# Altium PCB PCB1.PcbDoc (part 2 of 5) (continued)
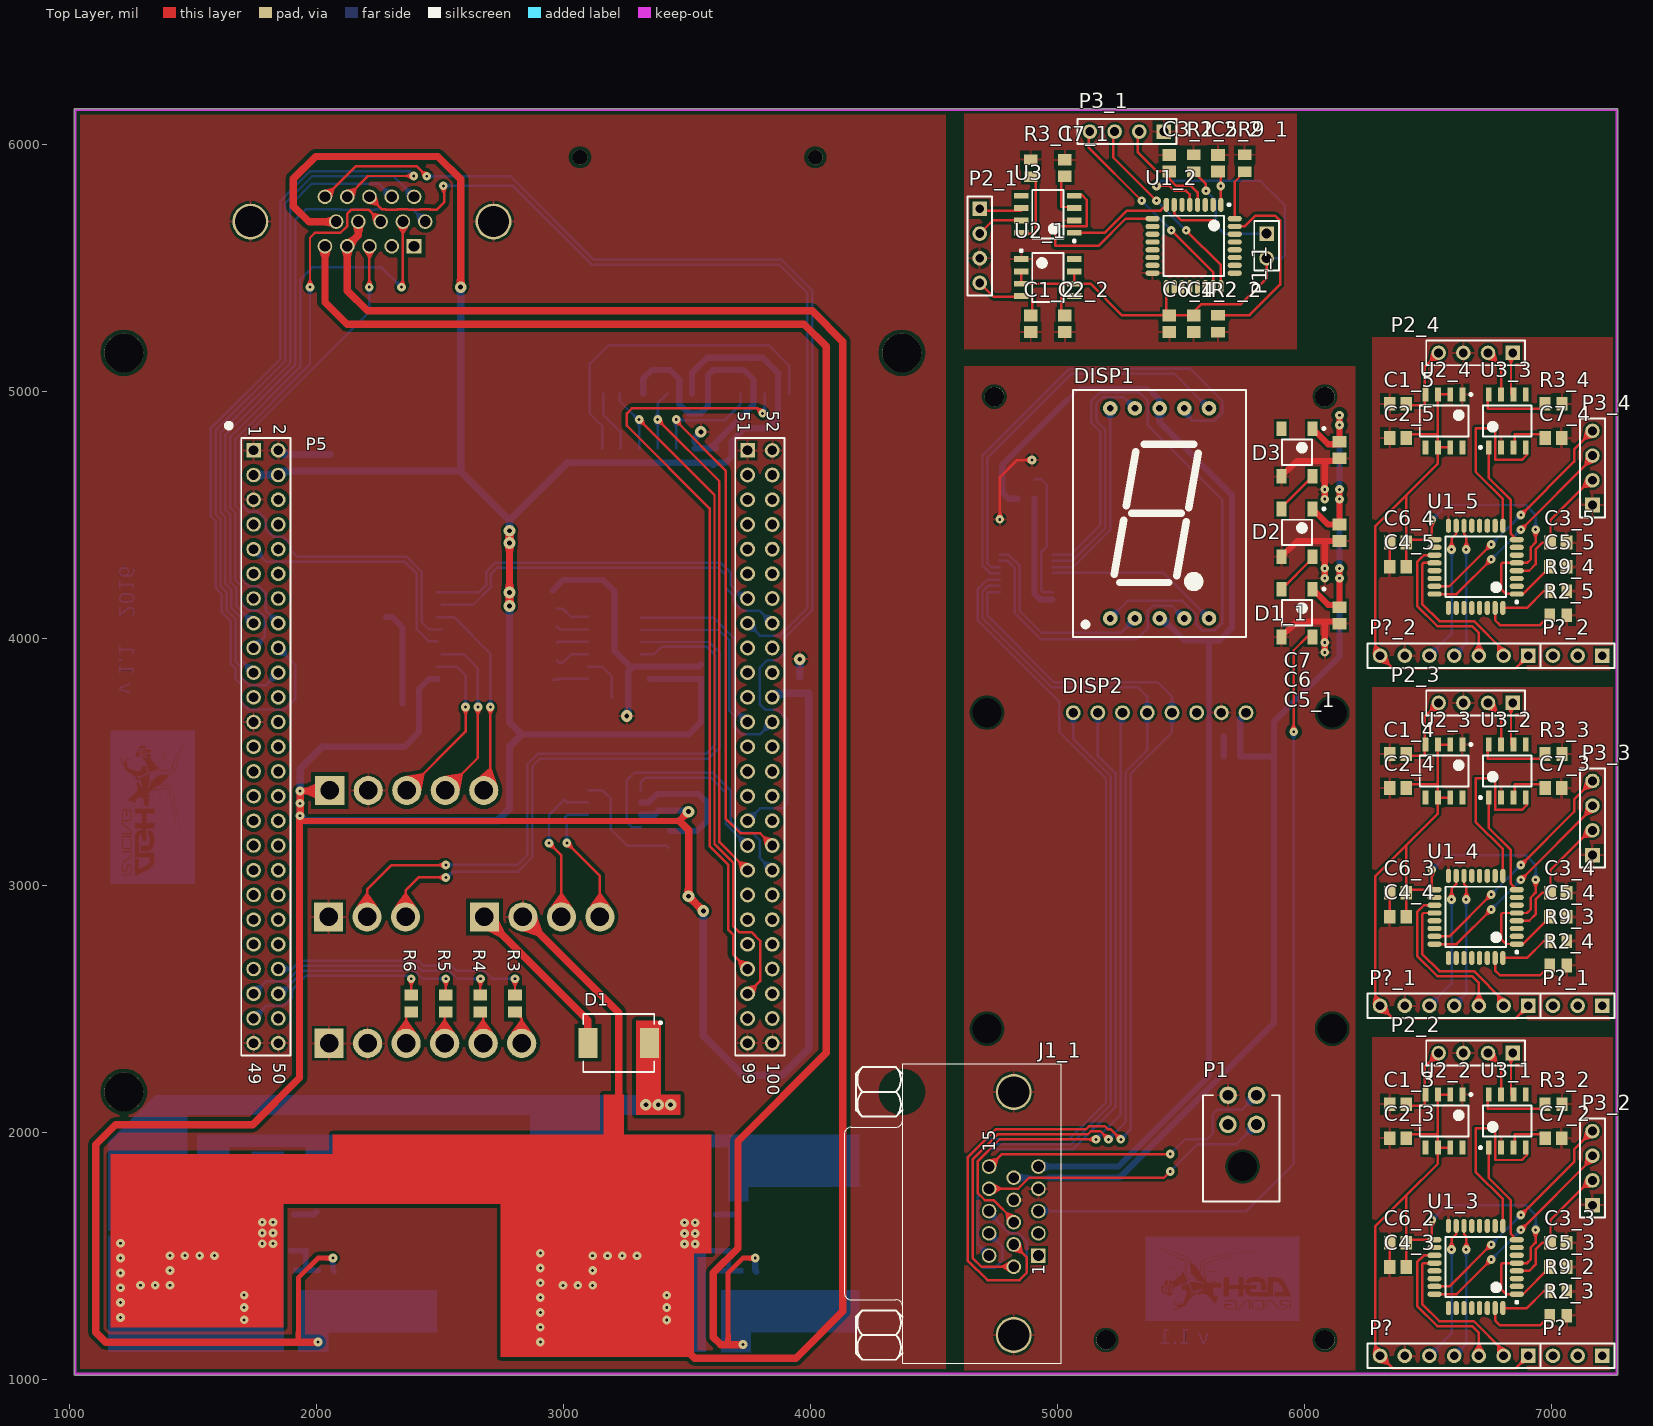
[diagram p0: Top Layer view]
## Nets (pads, with @x,y where several pads share a name; then routed paths per layer and width w, separated by ;. In a path a pad name is that pad's centre, name@x,y a point inside that pad or via, vN(x,y) a via of type N, cw(c..) or ccw(c..) an arc to the next point about the centre after c; other vN are vias at no path point) (continued)
1267.35,3112.6 ; 1267.35,3211.6 1267.35,3231.6 ; 1267.35,3254.6 1267.35,3291.6 ; 1267.35,3314.6 1267.35,3335.6 ; 1267.35,3343.6 1267.35,3345.6 ; 1267.35,3378.6 1267.35,3436.6 ; 1267.35,3468.6 1267.35,3628.6 ; 1268.35,3007.6 1268.35,3038.6 ; 1268.35,3109.6 1268.35,3112.6 ; 1268.35,3213.6 1268.35,3231.6 ; 1268.35,3254.6 1268.35,3291.6 ; 1268.35,3314.6 1268.35,3335.6 ; 1268.35,3343.6 1268.35,3347.6 ; 1268.35,3379.6 1268.35,3434.6 ; 1268.35,3468.6 1268.35,3525.6 ; 1268.35,3534.6 1268.35,3628.6 ; 1269.35,3007.6 1269.35,3039.6 ; 1269.35,3109.6 1269.35,3112.6 ; 1269.35,3214.6 1269.35,3231.6 ; 1269.35,3254.6 1269.35,3291.6 ; 1269.35,3314.6 1269.35,3335.6 ; 1269.35,3342.6 1269.35,3348.6 ; 1269.35,3381.6 1269.35,3410.6 ; 1269.35,3413.6 1269.35,3432.6 ; 1269.35,3467.6 1269.35,3523.6 ; 1269.35,3537.6 1269.35,3543.6 ; 1269.35,3544.6 1269.35,3628.6 ; 1270.35,3007.6 1270.35,3039.6 ; 1270.35,3109.6 1270.35,3112.6 ; 1270.35,3216.6 1270.35,3231.6 ; 1270.35,3254.6 1270.35,3291.6 ; 1270.35,3314.6 1270.35,3336.6 ; 1270.35,3342.6 1270.35,3349.6 ; 1270.35,3383.6 1270.35,3408.6 ; 1270.35,3414.6 1270.35,3429.6 ; 1270.35,3467.6 1270.35,3522.6 ; 1270.35,3538.6 1270.35,3543.6 ; 1270.35,3547.6 1270.35,3628.6 ; 1271.35,3007.6 1271.35,3039.6 ; 1271.35,3109.6 1271.35,3112.6 ; 1271.35,3217.6 1271.35,3231.6 ; 1271.35,3254.6 1271.35,3291.6 ; 1271.35,3314.6 1271.35,3338.6 ; 1271.35,3341.6 1271.35,3349.6 ; 1271.35,3384.6 1271.35,3407.6 ; 1271.35,3416.6 1271.35,3426.6 ; 1271.35,3467.6 1271.35,3521.6 ; 1271.35,3540.6 1271.35,3544.6 ; 1271.35,3549.6 1271.35,3628.6 ; 1272.35,3007.6 1272.35,3040.6 ; 1272.35,3109.6 1272.35,3112.6 ; 1272.35,3218.6 1272.35,3231.6 ; 1272.35,3254.6 1272.35,3291.6 ; 1272.35,3314.6 1272.35,3338.6 ; 1272.35,3340.6 1272.35,3350.6 ; 1272.35,3387.6 1272.35,3405.6 ; 1272.35,3417.6 1272.35,3424.6 ; 1272.35,3466.6 1272.35,3520.6 ; 1272.35,3541.6 1272.35,3545.6 ; 1272.35,3551.6 1272.35,3628.6 ; 1273.35,3007.6 1273.35,3040.6 ; 1273.35,3109.6 1273.35,3112.6 ; 1273.35,3219.6 1273.35,3231.6 ; 1273.35,3254.6 1273.35,3291.6 ; 1273.35,3314.6 1273.35,3350.6 ; 1273.35,3390.6 1273.35,3403.6 ; 1273.35,3418.6 1273.35,3422.6 ; 1273.35,3466.6 1273.35,3520.6 ; 1273.35,3543.6 1273.35,3546.6 ; 1273.35,3553.6 1273.35,3628.6 ; 1274.35,3007.6 1274.35,3041.6 ; 1274.35,3109.6 1274.35,3112.6 ; 1274.35,3220.6 1274.35,3231.6 ; 1274.35,3254.6 1274.35,3291.6 ; 1274.35,3314.6 1274.35,3351.6 ; 1274.35,3419.6 1274.35,3423.6 ; 1274.35,3466.6 1274.35,3520.6 ; 1274.35,3544.6 1274.35,3546.6 ; 1274.35,3554.6 1274.35,3628.6 ; 1275.35,3007.6 1275.35,3041.6 ; 1275.35,3109.6 1275.35,3112.6 ; 1275.35,3221.6 1275.35,3231.6 ; 1275.35,3254.6 1275.35,3291.6 ; 1275.35,3314.6 1275.35,3351.6 ; 1275.35,3421.6 1275.35,3425.6 ; 1275.35,3466.6 1275.35,3519.6 ; 1275.35,3545.6 1275.35,3547.6 ; 1275.35,3555.6 1275.35,3628.6 ; 1276.35,3007.6 1276.35,3042.6 ; 1276.35,3109.6 1276.35,3112.6 ; 1276.35,3222.6 1276.35,3231.6 ; 1276.35,3254.6 1276.35,3291.6 ; 1276.35,3314.6 1276.35,3352.6 ; 1276.35,3422.6 1276.35,3425.6 ; 1276.35,3443.6 1276.35,3444.6 ; 1276.35,3465.6 1276.35,3519.6 ; 1276.35,3546.6 1276.35,3548.6 ; 1276.35,3556.6 1276.35,3628.6 ; 1277.35,3007.6 1277.35,3042.6 ; 1277.35,3109.6 1277.35,3112.6 ; 1277.35,3222.6 1277.35,3231.6 ; 1277.35,3254.6 1277.35,3291.6 ; 1277.35,3314.6 1277.35,3353.6 ; 1277.35,3422.6 1277.35,3425.6 ; 1277.35,3442.6 1277.35,3443.6 ; 1277.35,3465.6 1277.35,3519.6 ; 1277.35,3547.6 1277.35,3549.6 ; 1277.35,3558.6 1277.35,3628.6 ; 1278.35,3007.6 1278.35,3043.6 ; 1278.35,3109.6 1278.35,3112.6 ; 1278.35,3223.6 1278.35,3231.6 ; 1278.35,3254.6 1278.35,3291.6 ; 1278.35,3314.6 1278.35,3353.6 ; 1278.35,3422.6 1278.35,3424.6 ; 1278.35,3440.6 1278.35,3443.6 ; 1278.35,3465.6 1278.35,3519.6 ; 1278.35,3548.6 1278.35,3550.6 ; 1278.35,3559.6 1278.35,3628.6 ; 1279.35,3007.6 1279.35,3043.6 ; 1279.35,3109.6 1279.35,3112.6 ; 1279.35,3224.6 1279.35,3231.6 ; 1279.35,3254.6 1279.35,3291.6 ; 1279.35,3314.6 1279.35,3354.6 ; 1279.35,3421.6 1279.35,3424.6 ; 1279.35,3439.6 1279.35,3443.6 ; 1279.35,3465.6 1279.35,3520.6 ; 1279.35,3548.6 1279.35,3551.6 ; 1279.35,3559.6 1279.35,3628.6 ; 1280.35,3007.6 1280.35,3044.6 ; 1280.35,3109.6 1280.35,3112.6 ; 1280.35,3224.6 1280.35,3231.6 ; 1280.35,3254.6 1280.35,3291.6 ; 1280.35,3314.6 1280.35,3354.6 ; 1280.35,3420.6 1280.35,3423.6 ; 1280.35,3437.6 1280.35,3443.6 ; 1280.35,3465.6 1280.35,3521.6 ; 1280.35,3549.6 1280.35,3551.6 ; 1280.35,3560.6 1280.35,3628.6 ; 1281.35,3007.6 1281.35,3044.6 ; 1281.35,3109.6 1281.35,3112.6 ; 1281.35,3225.6 1281.35,3231.6 ; 1281.35,3254.6 1281.35,3291.6 ; 1281.35,3314.6 1281.35,3355.6 ; 1281.35,3419.6 1281.35,3422.6 ; 1281.35,3436.6 1281.35,3443.6 ; 1281.35,3465.6 1281.35,3522.6 ; 1281.35,3537.6 1281.35,3538.6 ; 1281.35,3550.6 1281.35,3552.6 ; 1281.35,3561.6 1281.35,3628.6 ; 1282.35,3007.6 1282.35,3044.6 ; 1282.35,3109.6 1282.35,3112.6 ; 1282.35,3225.6 1282.35,3231.6 ; 1282.35,3254.6 1282.35,3291.6 ; 1282.35,3314.6 1282.35,3355.6 ; 1282.35,3418.6 1282.35,3421.6 ; 1282.35,3434.6 1282.35,3442.6 ; 1282.35,3465.6 1282.35,3523.6 ; 1282.35,3537.6 1282.35,3540.6 ; 1282.35,3551.6 1282.35,3553.6 ; 1282.35,3562.6 1282.35,3628.6 ; 1283.35,3007.6 1283.35,3045.6 ; 1283.35,3109.6 1283.35,3112.6 ; 1283.35,3225.6 1283.35,3231.6 ; 1283.35,3254.6 1283.35,3291.6 ; 1283.35,3314.6 1283.35,3356.6 ; 1283.35,3417.6 1283.35,3420.6 ; 1283.35,3432.6 1283.35,3436.6 ; 1283.35,3440.6 1283.35,3442.6 ; 1283.35,3465.6 1283.35,3524.6 ; 1283.35,3538.6 1283.35,3542.6 ; 1283.35,3551.6 1283.35,3554.6 ; 1283.35,3563.6 1283.35,3628.6 ; 1284.35,3007.6 1284.35,3045.6 ; 1284.35,3109.6 1284.35,3112.6 ; 1284.35,3226.6 1284.35,3231.6 ; 1284.35,3254.6 1284.35,3291.6 ; 1284.35,3314.6 1284.35,3356.6 ; 1284.35,3416.6 1284.35,3418.6 ; 1284.35,3429.6 1284.35,3434.6 ; 1284.35,3440.6 1284.35,3442.6 ; 1284.35,3465.6 1284.35,3519.6 ; 1284.35,3520.6 1284.35,3525.6 ; 1284.35,3538.6 1284.35,3543.6 ; 1284.35,3552.6 1284.35,3554.6 ; 1284.35,3564.6 1284.35,3628.6 ; 1285.35,3007.6 1285.35,3046.6 ; 1285.35,3071.6 1285.35,3112.6 ; 1285.35,3136.6 1285.35,3199.6 ; 1285.35,3226.6 1285.35,3231.6 ; 1285.35,3254.6 1285.35,3291.6 ; 1285.35,3314.6 1285.35,3356.6 ; 1285.35,3414.6 1285.35,3417.6 ; 1285.35,3426.6 1285.35,3432.6 ; 1285.35,3440.6 1285.35,3442.6 ; 1285.35,3466.6 1285.35,3519.6 ; 1285.35,3521.6 1285.35,3526.6 ; 1285.35,3538.6 1285.35,3544.6 ; 1285.35,3553.6 1285.35,3555.6 ; 1285.35,3564.6 1285.35,3628.6 ; 1286.35,3007.6 1286.35,3046.6 ; 1286.35,3072.6 1286.35,3112.6 ; 1286.35,3136.6 1286.35,3201.6 ; 1286.35,3226.6 1286.35,3231.6 ; 1286.35,3254.6 1286.35,3291.6 ; 1286.35,3314.6 1286.35,3356.6 ; 1286.35,3413.6 1286.35,3416.6 ; 1286.35,3423.6 1286.35,3429.6 ; 1286.35,3440.6 1286.35,3442.6 ; 1286.35,3466.6 1286.35,3519.6 ; 1286.35,3521.6 1286.35,3527.6 ; 1286.35,3538.6 1286.35,3545.6 ; 1286.35,3553.6 1286.35,3555.6 ; 1286.35,3565.6 1286.35,3628.6 ; 1287.35,3007.6 1287.35,3047.6 ; 1287.35,3072.6 1287.35,3112.6 ; 1287.35,3136.6 1287.35,3202.6 ; 1287.35,3226.6 1287.35,3231.6 ; 1287.35,3254.6 1287.35,3291.6 ; 1287.35,3314.6 1287.35,3356.6 ; 1287.35,3411.6 1287.35,3416.6 ; 1287.35,3419.6 1287.35,3426.6 ; 1287.35,3441.6 1287.35,3442.6 ; 1287.35,3467.6 1287.35,3519.6 ; 1287.35,3522.6 1287.35,3528.6 ; 1287.35,3539.6 1287.35,3541.6 ; 1287.35,3543.6 1287.35,3546.6 ; 1287.35,3554.6 1287.35,3556.6 ; 1287.35,3566.6 1287.35,3628.6 ; 1288.35,3007.6 1288.35,3047.6 ; 1288.35,3073.6 1288.35,3112.6 ; 1288.35,3136.6 1288.35,3139.6 ; 1288.35,3163.6 1288.35,3203.6 ; 1288.35,3226.6 1288.35,3231.6 ; 1288.35,3254.6 1288.35,3291.6 ; 1288.35,3314.6 1288.35,3356.6 ; 1288.35,3409.6 1288.35,3423.6 ; 1288.35,3441.6 1288.35,3442.6 ; 1288.35,3468.6 1288.35,3518.6 ; 1288.35,3522.6 1288.35,3524.6 ; 1288.35,3526.6 1288.35,3528.6 ; 1288.35,3539.6 1288.35,3541.6 ; 1288.35,3544.6 1288.35,3546.6 ; 1288.35,3554.6 1288.35,3556.6 ; 1288.35,3566.6 1288.35,3628.6 ; 1289.35,3007.6 1289.35,3048.6 ; 1289.35,3073.6 1289.35,3112.6 ; 1289.35,3136.6 1289.35,3139.6 ; 1289.35,3163.6 1289.35,3203.6 ; 1289.35,3226.6 1289.35,3231.6 ; 1289.35,3254.6 1289.35,3291.6 ; 1289.35,3314.6 1289.35,3356.6 ; 1289.35,3408.6 1289.35,3420.6 ; 1289.35,3441.6 1289.35,3442.6 ; 1289.35,3471.6 1289.35,3518.6 ; 1289.35,3522.6 1289.35,3524.6 ; 1289.35,3527.6 1289.35,3529.6 ; 1289.35,3539.6 1289.35,3541.6 ; 1289.35,3545.6 1289.35,3547.6 ; 1289.35,3554.6 1289.35,3557.6 ; 1289.35,3567.6 1289.35,3628.6 ; 1290.35,3007.6 1290.35,3048.6 ; 1290.35,3073.6 1290.35,3112.6 ; 1290.35,3136.6 1290.35,3139.6 ; 1290.35,3163.6 1290.35,3203.6 ; 1290.35,3227.6 1290.35,3231.6 ; 1290.35,3254.6 1290.35,3291.6 ; 1290.35,3314.6 1290.35,3356.6 ; 1290.35,3406.6 1290.35,3416.6 ; 1290.35,3441.6 1290.35,3442.6 ; 1290.35,3475.6 1290.35,3518.6 ; 1290.35,3522.6 1290.35,3524.6 ; 1290.35,3527.6 1290.35,3529.6 ; 1290.35,3539.6 1290.35,3541.6 ; 1290.35,3546.6 1290.35,3548.6 ; 1290.35,3555.6 1290.35,3557.6 ; 1290.35,3567.6 1290.35,3628.6 ; 1291.35,3007.6 1291.35,3049.6 ; 1291.35,3074.6 1291.35,3112.6 ; 1291.35,3136.6 1291.35,3139.6 ; 1291.35,3163.6 1291.35,3204.6 ; 1291.35,3227.6 1291.35,3231.6 ; 1291.35,3254.6 1291.35,3291.6 ; 1291.35,3314.6 1291.35,3356.6 ; 1291.35,3404.6 1291.35,3413.6 ; 1291.35,3441.6 1291.35,3443.6 ; 1291.35,3479.6 1291.35,3518.6 ; 1291.35,3523.6 1291.35,3524.6 ; 1291.35,3528.6 1291.35,3530.6 ; 1291.35,3539.6 1291.35,3541.6 ; 1291.35,3546.6 1291.35,3549.6 ; 1291.35,3555.6 1291.35,3557.6 ; 1291.35,3567.6 1291.35,3628.6 ; 1292.35,3007.6 1292.35,3049.6 ; 1292.35,3074.6 1292.35,3112.6 ; 1292.35,3136.6 1292.35,3139.6 ; 1292.35,3163.6 1292.35,3204.6 ; 1292.35,3227.6 1292.35,3231.6 ; 1292.35,3254.6 1292.35,3291.6 ; 1292.35,3314.6 1292.35,3355.6 ; 1292.35,3402.6 1292.35,3409.6 ; 1292.35,3441.6 1292.35,3443.6 ; 1292.35,3481.6 1292.35,3518.6 ; 1292.35,3523.6 1292.35,3524.6 ; 1292.35,3528.6 1292.35,3530.6 ; 1292.35,3540.6 1292.35,3541.6 ; 1292.35,3547.6 1292.35,3549.6 ; 1292.35,3555.6 1292.35,3557.6 ; 1292.35,3568.6 1292.35,3628.6 ; 1293.35,3007.6 1293.35,3050.6 ; 1293.35,3075.6 1293.35,3112.6 ; 1293.35,3136.6 1293.35,3139.6 ; 1293.35,3163.6 1293.35,3204.6 ; 1293.35,3227.6 1293.35,3231.6 ; 1293.35,3254.6 1293.35,3291.6 ; 1293.35,3314.6 1293.35,3332.6 ; 1293.35,3334.6 1293.35,3355.6 ; 1293.35,3400.6 1293.35,3406.6 ; 1293.35,3441.6 1293.35,3443.6 ; 1293.35,3482.6 1293.35,3517.6 ; 1293.35,3523.6 1293.35,3525.6 ; 1293.35,3529.6 1293.35,3531.6 ; 1293.35,3540.6 1293.35,3542.6 ; 1293.35,3548.6 1293.35,3550.6 ; 1293.35,3555.6 1293.35,3557.6 ; 1293.35,3568.6 1293.35,3628.6 ; 1294.35,3007.6 1294.35,3050.6 ; 1294.35,3075.6 1294.35,3112.6 ; 1294.35,3136.6 1294.35,3139.6 ; 1294.35,3163.6 1294.35,3180.6 ; 1294.35,3314.6 1294.35,3325.6 ; 1294.35,3327.6 1294.35,3332.6 ; 1294.35,3335.6 1294.35,3355.6 ; 1294.35,3399.6 1294.35,3403.6 ; 1294.35,3441.6 1294.35,3443.6 ; 1294.35,3482.6 1294.35,3517.6 ; 1294.35,3523.6 1294.35,3525.6 ; 1294.35,3529.6 1294.35,3531.6 ; 1294.35,3540.6 1294.35,3542.6 ; 1294.35,3548.6 1294.35,3551.6 ; 1294.35,3555.6 1294.35,3557.6 ; 1294.35,3568.6 1294.35,3628.6 ; 1295.35,3007.6 1295.35,3051.6 ; 1295.35,3076.6 1295.35,3112.6 ; 1295.35,3136.6 1295.35,3139.6 ; 1295.35,3163.6 1295.35,3180.6 ; 1295.35,3314.6 1295.35,3325.6 ; 1295.35,3327.6 1295.35,3332.6 ; 1295.35,3335.6 1295.35,3354.6 ; 1295.35,3397.6 1295.35,3400.6 ; 1295.35,3442.6 1295.35,3444.6 ; 1295.35,3483.6 1295.35,3517.6 ; 1295.35,3523.6 1295.35,3525.6 ; 1295.35,3529.6 1295.35,3531.6 ; 1295.35,3540.6 1295.35,3542.6 ; 1295.35,3549.6 1295.35,3552.6 ; 1295.35,3555.6 1295.35,3557.6 ; 1295.35,3568.6 1295.35,3628.6 ; 1296.35,3007.6 1296.35,3051.6 ; 1296.35,3076.6 1296.35,3112.6 ; 1296.35,3136.6 1296.35,3139.6 ; 1296.35,3163.6 1296.35,3180.6 ; 1296.35,3314.6 1296.35,3324.6 ; 1296.35,3327.6 1296.35,3332.6 ; 1296.35,3335.6 1296.35,3353.6 ; 1296.35,3442.6 1296.35,3444.6 ; 1296.35,3483.6 1296.35,3516.6 ; 1296.35,3523.6 1296.35,3525.6 ; 1296.35,3530.6 1296.35,3532.6 ; 1296.35,3541.6 1296.35,3542.6 ; 1296.35,3549.6 1296.35,3554.6 ; 1296.35,3555.6 1296.35,3557.6 ; 1296.35,3568.6 1296.35,3628.6 ; 1297.35,3007.6 1297.35,3052.6 ; 1297.35,3077.6 1297.35,3112.6 ; 1297.35,3136.6 1297.35,3139.6 ; 1297.35,3163.6 1297.35,3180.6 ; 1297.35,3314.6 1297.35,3324.6 ; 1297.35,3327.6 1297.35,3332.6 ; 1297.35,3335.6 1297.35,3353.6 ; 1297.35,3442.6 1297.35,3444.6 ; 1297.35,3483.6 1297.35,3515.6 ; 1297.35,3523.6 1297.35,3525.6 ; 1297.35,3530.6 1297.35,3532.6 ; 1297.35,3541.6 1297.35,3542.6 ; 1297.35,3550.6 1297.35,3557.6 ; 1297.35,3568.6 1297.35,3628.6 ; 1298.35,3007.6 1298.35,3052.6 ; 1298.35,3077.6 1298.35,3112.6 ; 1298.35,3136.6 1298.35,3139.6 ; 1298.35,3163.6 1298.35,3180.6 ; 1298.35,3314.6 1298.35,3324.6 ; 1298.35,3328.6 1298.35,3331.6 ; 1298.35,3335.6 1298.35,3352.6 ; 1298.35,3443.6 1298.35,3445.6 ; 1298.35,3484.6 1298.35,3514.6 ; 1298.35,3523.6 1298.35,3525.6 ; 1298.35,3530.6 1298.35,3532.6 ; 1298.35,3541.6 1298.35,3542.6 ; 1298.35,3550.6 1298.35,3557.6 ; 1298.35,3568.6 1298.35,3628.6 ; 1299.35,3007.6 1299.35,3053.6 ; 1299.35,3078.6 1299.35,3112.6 ; 1299.35,3136.6 1299.35,3139.6 ; 1299.35,3163.6 1299.35,3180.6 ; 1299.35,3314.6 1299.35,3324.6 ; 1299.35,3328.6 1299.35,3331.6 ; 1299.35,3335.6 1299.35,3350.6 ; 1299.35,3443.6 1299.35,3445.6 ; 1299.35,3484.6 1299.35,3511.6 ; 1299.35,3523.6 1299.35,3525.6 ; 1299.35,3531.6 1299.35,3533.6 ; 1299.35,3541.6 1299.35,3543.6 ; 1299.35,3551.6 1299.35,3553.6 ; 1299.35,3568.6 1299.35,3628.6 ; 1300.35,3007.6 1300.35,3053.6 ; 1300.35,3078.6 1300.35,3112.6 ; 1300.35,3136.6 1300.35,3139.6 ; 1300.35,3163.6 1300.35,3180.6 ; 1300.35,3314.6 1300.35,3323.6 ; 1300.35,3328.6 1300.35,3330.6 ; 1300.35,3335.6 1300.35,3348.6 ; 1300.35,3444.6 1300.35,3446.6 ; 1300.35,3484.6 1300.35,3510.6 ; 1300.35,3523.6 1300.35,3525.6 ; 1300.35,3531.6 1300.35,3533.6 ; 1300.35,3541.6 1300.35,3543.6 ; 1300.35,3551.6 1300.35,3553.6 ; 1300.35,3568.6 1300.35,3628.6 ; 1301.35,3007.6 1301.35,3054.6 ; 1301.35,3079.6 1301.35,3112.6 ; 1301.35,3136.6 1301.35,3139.6 ; 1301.35,3163.6 1301.35,3180.6 ; 1301.35,3314.6 1301.35,3323.6 ; 1301.35,3338.6 1301.35,3340.6 ; 1301.35,3444.6 1301.35,3446.6 ; 1301.35,3484.6 1301.35,3509.6 ; 1301.35,3523.6 1301.35,3525.6 ; 1301.35,3531.6 1301.35,3533.6 ; 1301.35,3541.6 1301.35,3543.6 ; 1301.35,3551.6 1301.35,3553.6 ; 1301.35,3568.6 1301.35,3628.6 ; 1302.35,3007.6 1302.35,3054.6 ; 1302.35,3079.6 1302.35,3112.6 ; 1302.35,3136.6 1302.35,3139.6 ; 1302.35,3163.6 1302.35,3180.6 ; 1302.35,3314.6 1302.35,3323.6 ; 1302.35,3444.6 1302.35,3447.6 ; 1302.35,3485.6 1302.35,3508.6 ; 1302.35,3523.6 1302.35,3525.6 ; 1302.35,3531.6 1302.35,3533.6 ; 1302.35,3541.6 1302.35,3543.6 ; 1302.35,3552.6 1302.35,3553.6 ; 1302.35,3568.6 1302.35,3628.6 ; 1303.35,3007.6 1303.35,3055.6 ; 1303.35,3080.6 1303.35,3112.6 ; 1303.35,3136.6 1303.35,3139.6 ; 1303.35,3163.6 1303.35,3180.6 ; 1303.35,3314.6 1303.35,3322.6 ; 1303.35,3445.6 1303.35,3447.6 ; 1303.35,3485.6 1303.35,3508.6 ; 1303.35,3522.6 1303.35,3525.6 ; 1303.35,3532.6 1303.35,3533.6 ; 1303.35,3541.6 1303.35,3543.6 ; 1303.35,3552.6 1303.35,3553.6 ; 1303.35,3568.6 1303.35,3628.6 ; 1304.35,3007.6 1304.35,3055.6 ; 1304.35,3080.6 1304.35,3112.6 ; 1304.35,3136.6 1304.35,3139.6 ; 1304.35,3163.6 1304.35,3180.6 ; 1304.35,3314.6 1304.35,3322.6 ; 1304.35,3445.6 1304.35,3447.6 ; 1304.35,3485.6 1304.35,3507.6 ; 1304.35,3522.6 1304.35,3524.6 ; 1304.35,3532.6 1304.35,3534.6 ; 1304.35,3541.6 1304.35,3543.6 ; 1304.35,3552.6 1304.35,3554.6 ; 1304.35,3568.6 1304.35,3628.6 ; 1305.35,3007.6 1305.35,3056.6 ; 1305.35,3081.6 1305.35,3112.6 ; 1305.35,3136.6 1305.35,3139.6 ; 1305.35,3163.6 1305.35,3180.6 ; 1305.35,3314.6 1305.35,3322.6 ; 1305.35,3446.6 1305.35,3448.6 ; 1305.35,3485.6 1305.35,3505.6 ; 1305.35,3522.6 1305.35,3524.6 ; 1305.35,3532.6 1305.35,3534.6 ; 1305.35,3542.6 1305.35,3543.6 ; 1305.35,3552.6 1305.35,3554.6 ; 1305.35,3568.6 1305.35,3628.6 ; 1306.35,3007.6 1306.35,3056.6 ; 1306.35,3081.6 1306.35,3112.6 ; 1306.35,3136.6 1306.35,3139.6 ; 1306.35,3163.6 1306.35,3180.6 ; 1306.35,3314.6 1306.35,3321.6 ; 1306.35,3446.6 1306.35,3448.6 ; 1306.35,3485.6 1306.35,3501.6 ; 1306.35,3521.6 1306.35,3523.6 ; 1306.35,3532.6 1306.35,3534.6 ; 1306.35,3542.6 1306.35,3543.6 ; 1306.35,3552.6 1306.35,3554.6 ; 1306.35,3568.6 1306.35,3628.6 ; 1307.35,3007.6 1307.35,3057.6 ; 1307.35,3082.6 1307.35,3112.6 ; 1307.35,3136.6 1307.35,3139.6 ; 1307.35,3163.6 1307.35,3180.6 ; 1307.35,3314.6 1307.35,3321.6 ; 1307.35,3447.6 1307.35,3449.6 ; 1307.35,3485.6 1307.35,3498.6 ; 1307.35,3521.6 1307.35,3523.6 ; 1307.35,3532.6 1307.35,3534.6 ; 1307.35,3542.6 1307.35,3543.6 ; 1307.35,3552.6 1307.35,3554.6 ; 1307.35,3567.6 1307.35,3628.6 ; 1308.35,3007.6 1308.35,3057.6 ; 1308.35,3082.6 1308.35,3112.6 ; 1308.35,3136.6 1308.35,3139.6 ; 1308.35,3163.6 1308.35,3180.6 ; 1308.35,3314.6 1308.35,3321.6 ; 1308.35,3447.6 1308.35,3449.6 ; 1308.35,3486.6 1308.35,3495.6 ; 1308.35,3521.6 1308.35,3522.6 ; 1308.35,3533.6 1308.35,3534.6 ; 1308.35,3542.6 1308.35,3543.6 ; 1308.35,3553.6 1308.35,3554.6 ; 1308.35,3567.6 1308.35,3628.6 ; 1309.35,3007.6 1309.35,3058.6 ; 1309.35,3083.6 1309.35,3112.6 ; 1309.35,3136.6 1309.35,3139.6 ; 1309.35,3163.6 1309.35,3180.6 ; 1309.35,3314.6 1309.35,3320.6 ; 1309.35,3448.6 1309.35,3450.6 ; 1309.35,3486.6 1309.35,3494.6 ; 1309.35,3520.6 1309.35,3522.6 ; 1309.35,3533.6 1309.35,3535.6 ; 1309.35,3541.6 1309.35,3543.6 ; 1309.35,3553.6 1309.35,3555.6 ; 1309.35,3566.6 1309.35,3628.6 ; 1310.35,3007.6 1310.35,3058.6 ; 1310.35,3083.6 1310.35,3112.6 ; 1310.35,3136.6 1310.35,3139.6 ; 1310.35,3163.6 1310.35,3180.6 ; 1310.35,3314.6 1310.35,3320.6 ; 1310.35,3448.6 1310.35,3450.6 ; 1310.35,3486.6 1310.35,3492.6 ; 1310.35,3520.6 1310.35,3522.6 ; 1310.35,3533.6 1310.35,3535.6 ; 1310.35,3541.6 1310.35,3543.6 ; 1310.35,3553.6 1310.35,3555.6 ; 1310.35,3565.6 1310.35,3628.6 ; 1311.35,3007.6 1311.35,3058.6 ; 1311.35,3084.6 1311.35,3112.6 ; 1311.35,3136.6 1311.35,3139.6 ; 1311.35,3163.6 1311.35,3180.6 ; 1311.35,3314.6 1311.35,3320.6 ; 1311.35,3449.6 1311.35,3451.6 ; 1311.35,3486.6 1311.35,3491.6 ; 1311.35,3520.6 1311.35,3522.6 ; 1311.35,3533.6 1311.35,3535.6 ; 1311.35,3540.6 1311.35,3543.6 ; 1311.35,3553.6 1311.35,3555.6 ; 1311.35,3564.6 1311.35,3628.6 ; 1312.35,3007.6 1312.35,3059.6 ; 1312.35,3084.6 1312.35,3112.6 ; 1312.35,3136.6 1312.35,3139.6 ; 1312.35,3163.6 1312.35,3180.6 ; 1312.35,3314.6 1312.35,3320.6 ; 1312.35,3449.6 1312.35,3451.6 ; 1312.35,3486.6 1312.35,3490.6 ; 1312.35,3520.6 1312.35,3523.6 ; 1312.35,3533.6 1312.35,3535.6 ; 1312.35,3540.6 1312.35,3542.6 ; 1312.35,3553.6 1312.35,3555.6 ; 1312.35,3563.6 1312.35,3628.6 ; 1313.35,3007.6 1313.35,3059.6 ; 1313.35,3085.6 1313.35,3112.6 ; 1313.35,3136.6 1313.35,3139.6 ; 1313.35,3163.6 1313.35,3180.6 ; 1313.35,3314.6 1313.35,3320.6 ; 1313.35,3450.6 1313.35,3452.6 ; 1313.35,3486.6 1313.35,3489.6 ; 1313.35,3520.6 1313.35,3523.6 ; 1313.35,3533.6 1313.35,3535.6 ; 1313.35,3553.6 1313.35,3558.6 ; 1313.35,3560.6 1313.35,3628.6 ; 1314.35,3007.6 1314.35,3060.6 ; 1314.35,3085.6 1314.35,3112.6 ; 1314.35,3136.6 1314.35,3139.6 ; 1314.35,3163.6 1314.35,3180.6 ; 1314.35,3314.6 1314.35,3320.6 ; 1314.35,3450.6 1314.35,3452.6 ; 1314.35,3472.6 1314.35,3487.6 ; 1314.35,3521.6 1314.35,3523.6 ; 1314.35,3533.6 1314.35,3535.6 ; 1314.35,3553.6 1314.35,3628.6 ; 1315.35,3007.6 1315.35,3060.6 ; 1315.35,3086.6 1315.35,3112.6 ; 1315.35,3136.6 1315.35,3139.6 ; 1315.35,3163.6 1315.35,3231.6 ; 1315.35,3254.6 1315.35,3291.6 ; 1315.35,3314.6 1315.35,3320.6 ; 1315.35,3451.6 1315.35,3453.6 ; 1315.35,3469.6 1315.35,3486.6 ; 1315.35,3534.6 1315.35,3536.6 ; 1315.35,3553.6 1315.35,3628.6 ; 1316.35,3007.6 1316.35,3061.6 ; 1316.35,3087.6 1316.35,3112.6 ; 1316.35,3136.6 1316.35,3139.6 ; 1316.35,3163.6 1316.35,3231.6 ; 1316.35,3254.6 1316.35,3291.6 ; 1316.35,3314.6 1316.35,3320.6 ; 1316.35,3350.6 1316.35,3354.6 ; 1316.35,3452.6 1316.35,3454.6 ; 1316.35,3466.6 1316.35,3474.6 ; 1316.35,3534.6 1316.35,3536.6 ; 1316.35,3553.6 1316.35,3628.6 ; 1317.35,3007.6 1317.35,3061.6 ; 1317.35,3088.6 1317.35,3112.6 ; 1317.35,3136.6 1317.35,3139.6 ; 1317.35,3163.6 1317.35,3231.6 ; 1317.35,3254.6 1317.35,3291.6 ; 1317.35,3314.6 1317.35,3320.6 ; 1317.35,3352.6 1317.35,3354.6 ; 1317.35,3452.6 1317.35,3454.6 ; 1317.35,3464.6 1317.35,3469.6 ; 1317.35,3534.6 1317.35,3536.6 ; 1317.35,3553.6 1317.35,3628.6 ; 1318.35,3007.6 1318.35,3062.6 ; 1318.35,3088.6 1318.35,3112.6 ; 1318.35,3136.6 1318.35,3139.6 ; 1318.35,3163.6 1318.35,3204.6 ; 1318.35,3227.6 1318.35,3231.6 ; 1318.35,3254.6 1318.35,3291.6 ; 1318.35,3314.6 1318.35,3320.6 ; 1318.35,3353.6 1318.35,3354.6 ; 1318.35,3453.6 1318.35,3455.6 ; 1318.35,3462.6 1318.35,3466.6 ; 1318.35,3534.6 1318.35,3536.6 ; 1318.35,3553.6 1318.35,3628.6 ; 1319.35,3007.6 1319.35,3062.6 ; 1319.35,3089.6 1319.35,3112.6 ; 1319.35,3136.6 1319.35,3140.6 ; 1319.35,3163.6 1319.35,3203.6 ; 1319.35,3227.6 1319.35,3231.6 ; 1319.35,3254.6 1319.35,3291.6 ; 1319.35,3314.6 1319.35,3321.6 ; 1319.35,3395.6 1319.35,3397.6 ; 1319.35,3454.6 1319.35,3456.6 ; 1319.35,3461.6 1319.35,3464.6 ; 1319.35,3534.6 1319.35,3536.6 ; 1319.35,3553.6 1319.35,3628.6 ; 1320.35,3007.6 1320.35,3063.6 ; 1320.35,3091.6 1320.35,3112.6 ; 1320.35,3136.6 1320.35,3140.6 ; 1320.35,3164.6 1320.35,3203.6 ; 1320.35,3227.6 1320.35,3231.6 ; 1320.35,3254.6 1320.35,3291.6 ; 1320.35,3314.6 1320.35,3322.6 ; 1320.35,3398.6 1320.35,3400.6 ; 1320.35,3454.6 1320.35,3456.6 ; 1320.35,3460.6 1320.35,3463.6 ; 1320.35,3534.6 1320.35,3536.6 ; 1320.35,3553.6 1320.35,3628.6 ; 1321.35,3007.6 1321.35,3063.6 ; 1321.35,3092.6 1321.35,3112.6 ; 1321.35,3136.6 1321.35,3140.6 ; 1321.35,3165.6 1321.35,3202.6 ; 1321.35,3227.6 1321.35,3231.6 ; 1321.35,3254.6 1321.35,3291.6 ; 1321.35,3314.6 1321.35,3323.6 ; 1321.35,3400.6 1321.35,3404.6 ; 1321.35,3455.6 1321.35,3458.6 ; 1321.35,3459.6 1321.35,3461.6 ; 1321.35,3534.6 1321.35,3536.6 ; 1321.35,3553.6 1321.35,3628.6 ; 1322.35,3007.6 1322.35,3064.6 ; 1322.35,3094.6 1322.35,3112.6 ; 1322.35,3136.6 1322.35,3140.6 ; 1322.35,3166.6 1322.35,3201.6 ; 1322.35,3227.6 1322.35,3231.6 ; 1322.35,3254.6 1322.35,3291.6 ; 1322.35,3314.6 1322.35,3325.6 ; 1322.35,3403.6 1322.35,3407.6 ; 1322.35,3455.6 1322.35,3461.6 ; 1322.35,3534.6 1322.35,3536.6 ; 1322.35,3553.6 1322.35,3628.6 ; 1323.35,3007.6 1323.35,3064.6 ; 1323.35,3096.6 1323.35,3112.6 ; 1323.35,3136.6 1323.35,3140.6 ; 1323.35,3167.6 1323.35,3199.6 ; 1323.35,3226.6 1323.35,3231.6 ; 1323.35,3254.6 1323.35,3291.6 ; 1323.35,3314.6 1323.35,3337.6 ; 1323.35,3357.6 1323.35,3358.6 ; 1323.35,3368.6 1323.35,3373.6 ; 1323.35,3406.6 1323.35,3411.6 ; 1323.35,3456.6 1323.35,3460.6 ; 1323.35,3534.6 1323.35,3536.6 ; 1323.35,3553.6 1323.35,3628.6 ; 1324.35,3007.6 1324.35,3065.6 ; 1324.35,3136.6 1324.35,3141.6 ; 1324.35,3226.6 1324.35,3231.6 ; 1324.35,3254.6 1324.35,3291.6 ; 1324.35,3314.6 1324.35,3343.6 ; 1324.35,3353.6 1324.35,3359.6 ; 1324.35,3368.6 1324.35,3376.6 ; 1324.35,3408.6 1324.35,3414.6 ; 1324.35,3457.6 1324.35,3460.6 ; 1324.35,3534.6 1324.35,3536.6 ; 1324.35,3553.6 1324.35,3628.6 ; 1325.35,3007.6 1325.35,3066.6 ; 1325.35,3136.6 1325.35,3141.6 ; 1325.35,3226.6 1325.35,3231.6 ; 1325.35,3254.6 1325.35,3291.6 ; 1325.35,3314.6 1325.35,3344.6 ; 1325.35,3351.6 1325.35,3361.6 ; 1325.35,3368.6 1325.35,3378.6 ; 1325.35,3410.6 1325.35,3418.6 ; 1325.35,3457.6 1325.35,3460.6 ; 1325.35,3534.6 1325.35,3537.6 ; 1325.35,3553.6 1325.35,3628.6 ; 1326.35,3007.6 1326.35,3066.6 ; 1326.35,3136.6 1326.35,3141.6 ; 1326.35,3225.6 1326.35,3231.6 ; 1326.35,3254.6 1326.35,3291.6 ; 1326.35,3314.6 1326.35,3345.6 ; 1326.35,3350.6 1326.35,3361.6 ; 1326.35,3368.6 1326.35,3380.6 ; 1326.35,3413.6 1326.35,3421.6 ; 1326.35,3437.6 1326.35,3460.6 ; 1326.35,3534.6 1326.35,3537.6 ; 1326.35,3553.6 1326.35,3628.6 ; 1327.35,3007.6 1327.35,3067.6 ; 1327.35,3136.6 1327.35,3142.6 ; 1327.35,3225.6 1327.35,3231.6 ; 1327.35,3254.6 1327.35,3291.6 ; 1327.35,3314.6 1327.35,3345.6 ; 1327.35,3350.6 1327.35,3362.6 ; 1327.35,3368.6 1327.35,3381.6 ; 1327.35,3415.6 1327.35,3425.6 ; 1327.35,3428.6 1327.35,3460.6 ; 1327.35,3534.6 1327.35,3537.6 ; 1327.35,3553.6 1327.35,3628.6 ; 1328.35,3007.6 1328.35,3068.6 ; 1328.35,3136.6 1328.35,3142.6 ; 1328.35,3224.6 1328.35,3231.6 ; 1328.35,3254.6 1328.35,3291.6 ; 1328.35,3314.6 1328.35,3345.6 ; 1328.35,3349.6 1328.35,3363.6 ; 1328.35,3368.6 1328.35,3382.6 ; 1328.35,3418.6 1328.35,3455.6 ; 1328.35,3459.6 1328.35,3461.6 ; 1328.35,3534.6 1328.35,3537.6 ; 1328.35,3552.6 1328.35,3628.6 ; 1329.35,3007.6 1329.35,3068.6 ; 1329.35,3136.6 1329.35,3143.6 ; 1329.35,3224.6 1329.35,3231.6 ; 1329.35,3254.6 1329.35,3291.6 ; 1329.35,3314.6 1329.35,3364.6 ; 1329.35,3368.6 1329.35,3382.6 ; 1329.35,3421.6 1329.35,3454.6 ; 1329.35,3459.6 1329.35,3461.6 ; 1329.35,3518.6 1329.35,3521.6 ; 1329.35,3534.6 1329.35,3538.6 ; 1329.35,3552.6 1329.35,3628.6 ; 1330.35,3007.6 1330.35,3069.6 ; 1330.35,3136.6 1330.35,3143.6 ; 1330.35,3223.6 1330.35,3231.6 ; 1330.35,3254.6 1330.35,3291.6 ; 1330.35,3314.6 1330.35,3365.6 ; 1330.35,3368.6 1330.35,3383.6 ; 1330.35,3423.6 1330.35,3453.6 ; 1330.35,3459.6 1330.35,3461.6 ; 1330.35,3515.6 1330.35,3521.6 ; 1330.35,3534.6 1330.35,3539.6 ; 1330.35,3551.6 1330.35,3628.6 ; 1331.35,3007.6 1331.35,3070.6 ; 1331.35,3136.6 1331.35,3144.6 ; 1331.35,3223.6 1331.35,3231.6 ; 1331.35,3254.6 1331.35,3291.6 ; 1331.35,3314.6 1331.35,3366.6 ; 1331.35,3368.6 1331.35,3383.6 ; 1331.35,3424.6 1331.35,3453.6 ; 1331.35,3458.6 1331.35,3461.6 ; 1331.35,3514.6 1331.35,3522.6 ; 1331.35,3533.6 1331.35,3540.6 ; 1331.35,3550.6 1331.35,3628.6 ; 1332.35,3007.6 1332.35,3071.6 ; 1332.35,3136.6 1332.35,3145.6 ; 1332.35,3222.6 1332.35,3231.6 ; 1332.35,3254.6 1332.35,3291.6 ; 1332.35,3314.6 1332.35,3383.6 ; 1332.35,3425.6 1332.35,3453.6 ; 1332.35,3458.6 1332.35,3461.6 ; 1332.35,3512.6 1332.35,3523.6 ; 1332.35,3531.6 1332.35,3542.6 ; 1332.35,3548.6 1332.35,3628.6 ; 1333.35,3007.6 1333.35,3072.6 ; 1333.35,3136.6 1333.35,3146.6 ; 1333.35,3221.6 1333.35,3231.6 ; 1333.35,3254.6 1333.35,3291.6 ; 1333.35,3314.6 1333.35,3383.6 ; 1333.35,3426.6 1333.35,3453.6 ; 1333.35,3458.6 1333.35,3460.6 ; 1333.35,3511.6 1333.35,3628.6 ; 1334.35,3007.6 1334.35,3073.6 ; 1334.35,3136.6 1334.35,3146.6 ; 1334.35,3220.6 1334.35,3231.6 ; 1334.35,3254.6 1334.35,3291.6 ; 1334.35,3314.6 1334.35,3383.6 ; 1334.35,3426.6 1334.35,3453.6 ; 1334.35,3458.6 1334.35,3460.6 ; 1334.35,3510.6 1334.35,3628.6 ; 1335.35,3007.6 1335.35,3074.6 ; 1335.35,3136.6 1335.35,3147.6 ; 1335.35,3219.6 1335.35,3231.6 ; 1335.35,3254.6 1335.35,3291.6 ; 1335.35,3314.6 1335.35,3384.6 ; 1335.35,3427.6 1335.35,3453.6 ; 1335.35,3458.6 1335.35,3460.6 ; 1335.35,3509.6 1335.35,3628.6 ; 1336.35,3007.6 1336.35,3075.6 ; 1336.35,3136.6 1336.35,3148.6 ; 1336.35,3218.6 1336.35,3231.6 ; 1336.35,3254.6 1336.35,3291.6 ; 1336.35,3314.6 1336.35,3384.6 ; 1336.35,3427.6 1336.35,3453.6 ; 1336.35,3458.6 1336.35,3460.6 ; 1336.35,3508.6 1336.35,3628.6 ; 1337.35,3007.6 1337.35,3077.6 ; 1337.35,3136.6 1337.35,3150.6 ; 1337.35,3217.6 1337.35,3231.6 ; 1337.35,3254.6 1337.35,3291.6 ; 1337.35,3314.6 1337.35,3384.6 ; 1337.35,3428.6 1337.35,3453.6 ; 1337.35,3458.6 1337.35,3461.6 ; 1337.35,3507.6 1337.35,3628.6 ; 1338.35,3007.6 1338.35,3078.6 ; 1338.35,3136.6 1338.35,3151.6 ; 1338.35,3216.6 1338.35,3231.6 ; 1338.35,3254.6 1338.35,3291.6 ; 1338.35,3314.6 1338.35,3384.6 ; 1338.35,3389.6 1338.35,3390.6 ; 1338.35,3428.6 1338.35,3453.6 ; 1338.35,3459.6 1338.35,3461.6 ; 1338.35,3506.6 1338.35,3628.6 ; 1339.35,3007.6 1339.35,3080.6 ; 1339.35,3136.6 1339.35,3152.6 ; 1339.35,3214.6 1339.35,3231.6 ; 1339.35,3254.6 1339.35,3291.6 ; 1339.35,3314.6 1339.35,3384.6 ; 1339.35,3390.6 1339.35,3391.6 ; 1339.35,3429.6 1339.35,3454.6 ; 1339.35,3459.6 1339.35,3462.6 ; 1339.35,3504.6 1339.35,3628.6 ; 1340.35,3007.6 1340.35,3082.6 ; 1340.35,3136.6 1340.35,3154.6 ; 1340.35,3212.6 1340.35,3231.6 ; 1340.35,3254.6 1340.35,3291.6 ; 1340.35,3314.6 1340.35,3384.6 ; 1340.35,3390.6 1340.35,3391.6 ; 1340.35,3430.6 1340.35,3454.6 ; 1340.35,3460.6 1340.35,3462.6 ; 1340.35,3503.6 1340.35,3628.6 ; 1341.35,3007.6 1341.35,3084.6 ; 1341.35,3136.6 1341.35,3156.6 ; 1341.35,3211.6 1341.35,3231.6 ; 1341.35,3254.6 1341.35,3291.6 ; 1341.35,3314.6 1341.35,3384.6 ; 1341.35,3390.6 1341.35,3392.6 ; 1341.35,3430.6 1341.35,3455.6 ; 1341.35,3460.6 1341.35,3463.6 ; 1341.35,3502.6 1341.35,3628.6 ; 1342.35,3007.6 1342.35,3087.6 ; 1342.35,3136.6 1342.35,3158.6 ; 1342.35,3208.6 1342.35,3231.6